# KiCad board WINDOW-4CH.kicad_pcb
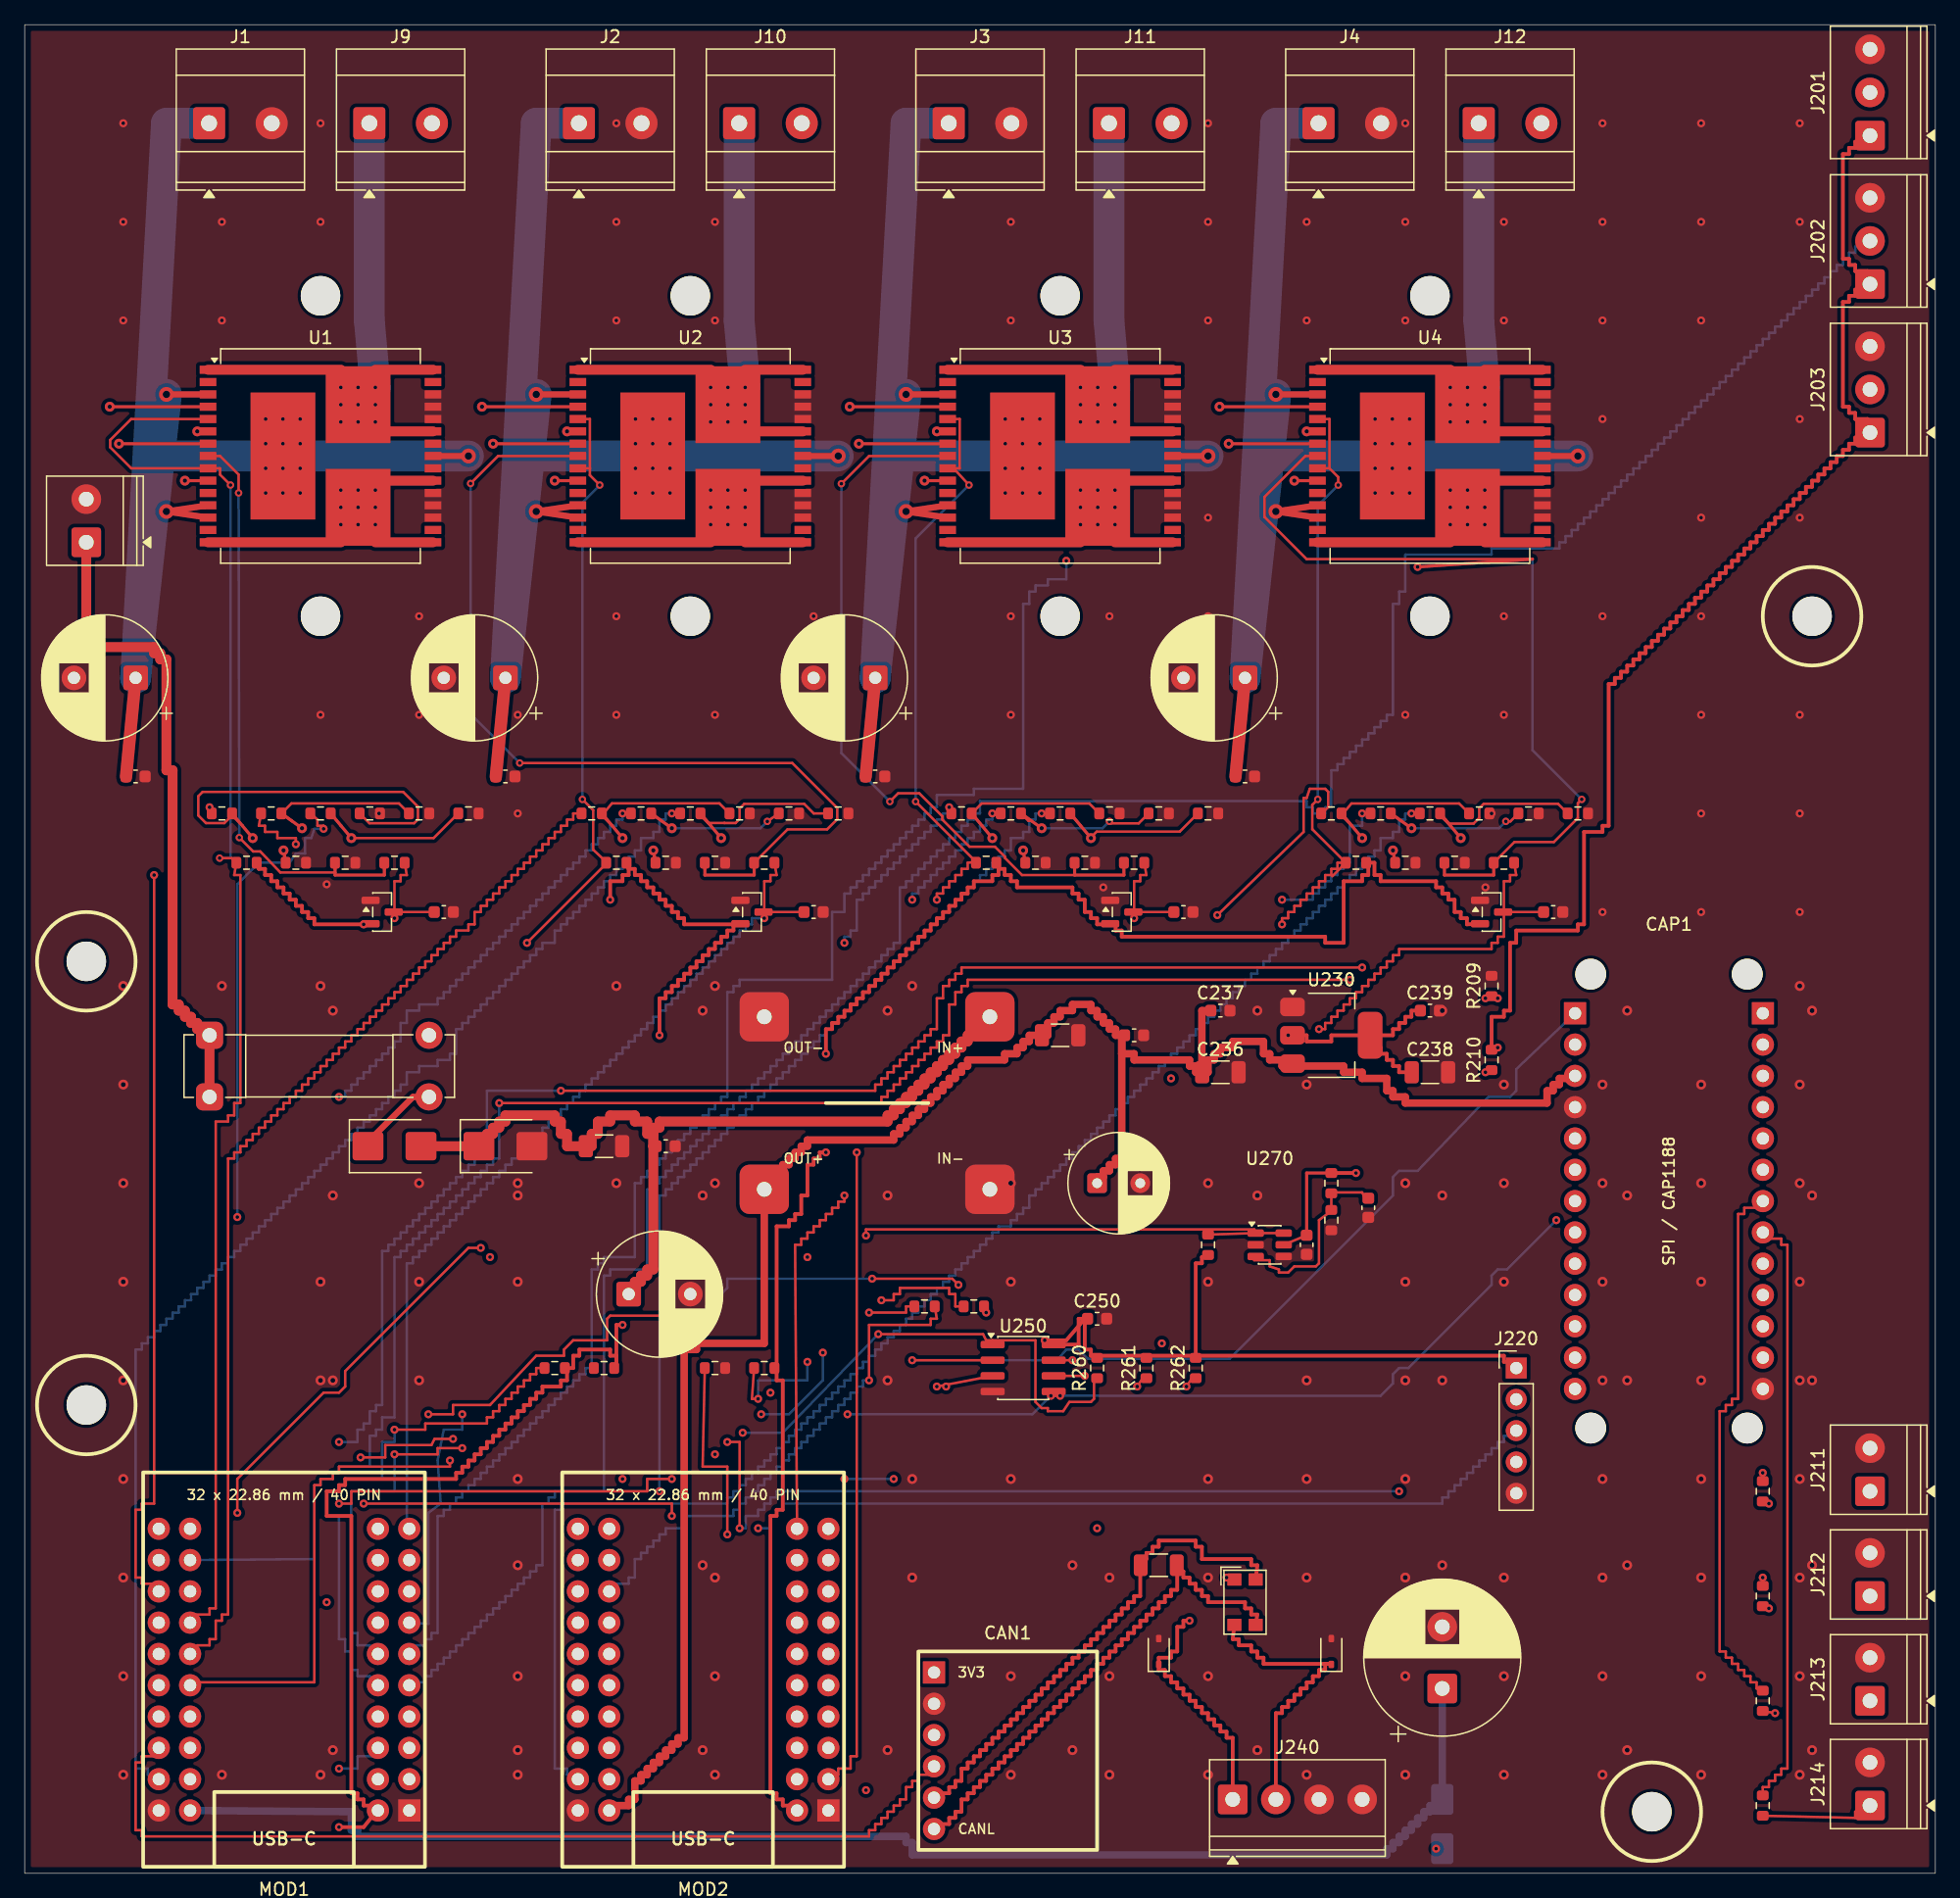
[diagram p0: board, top side]
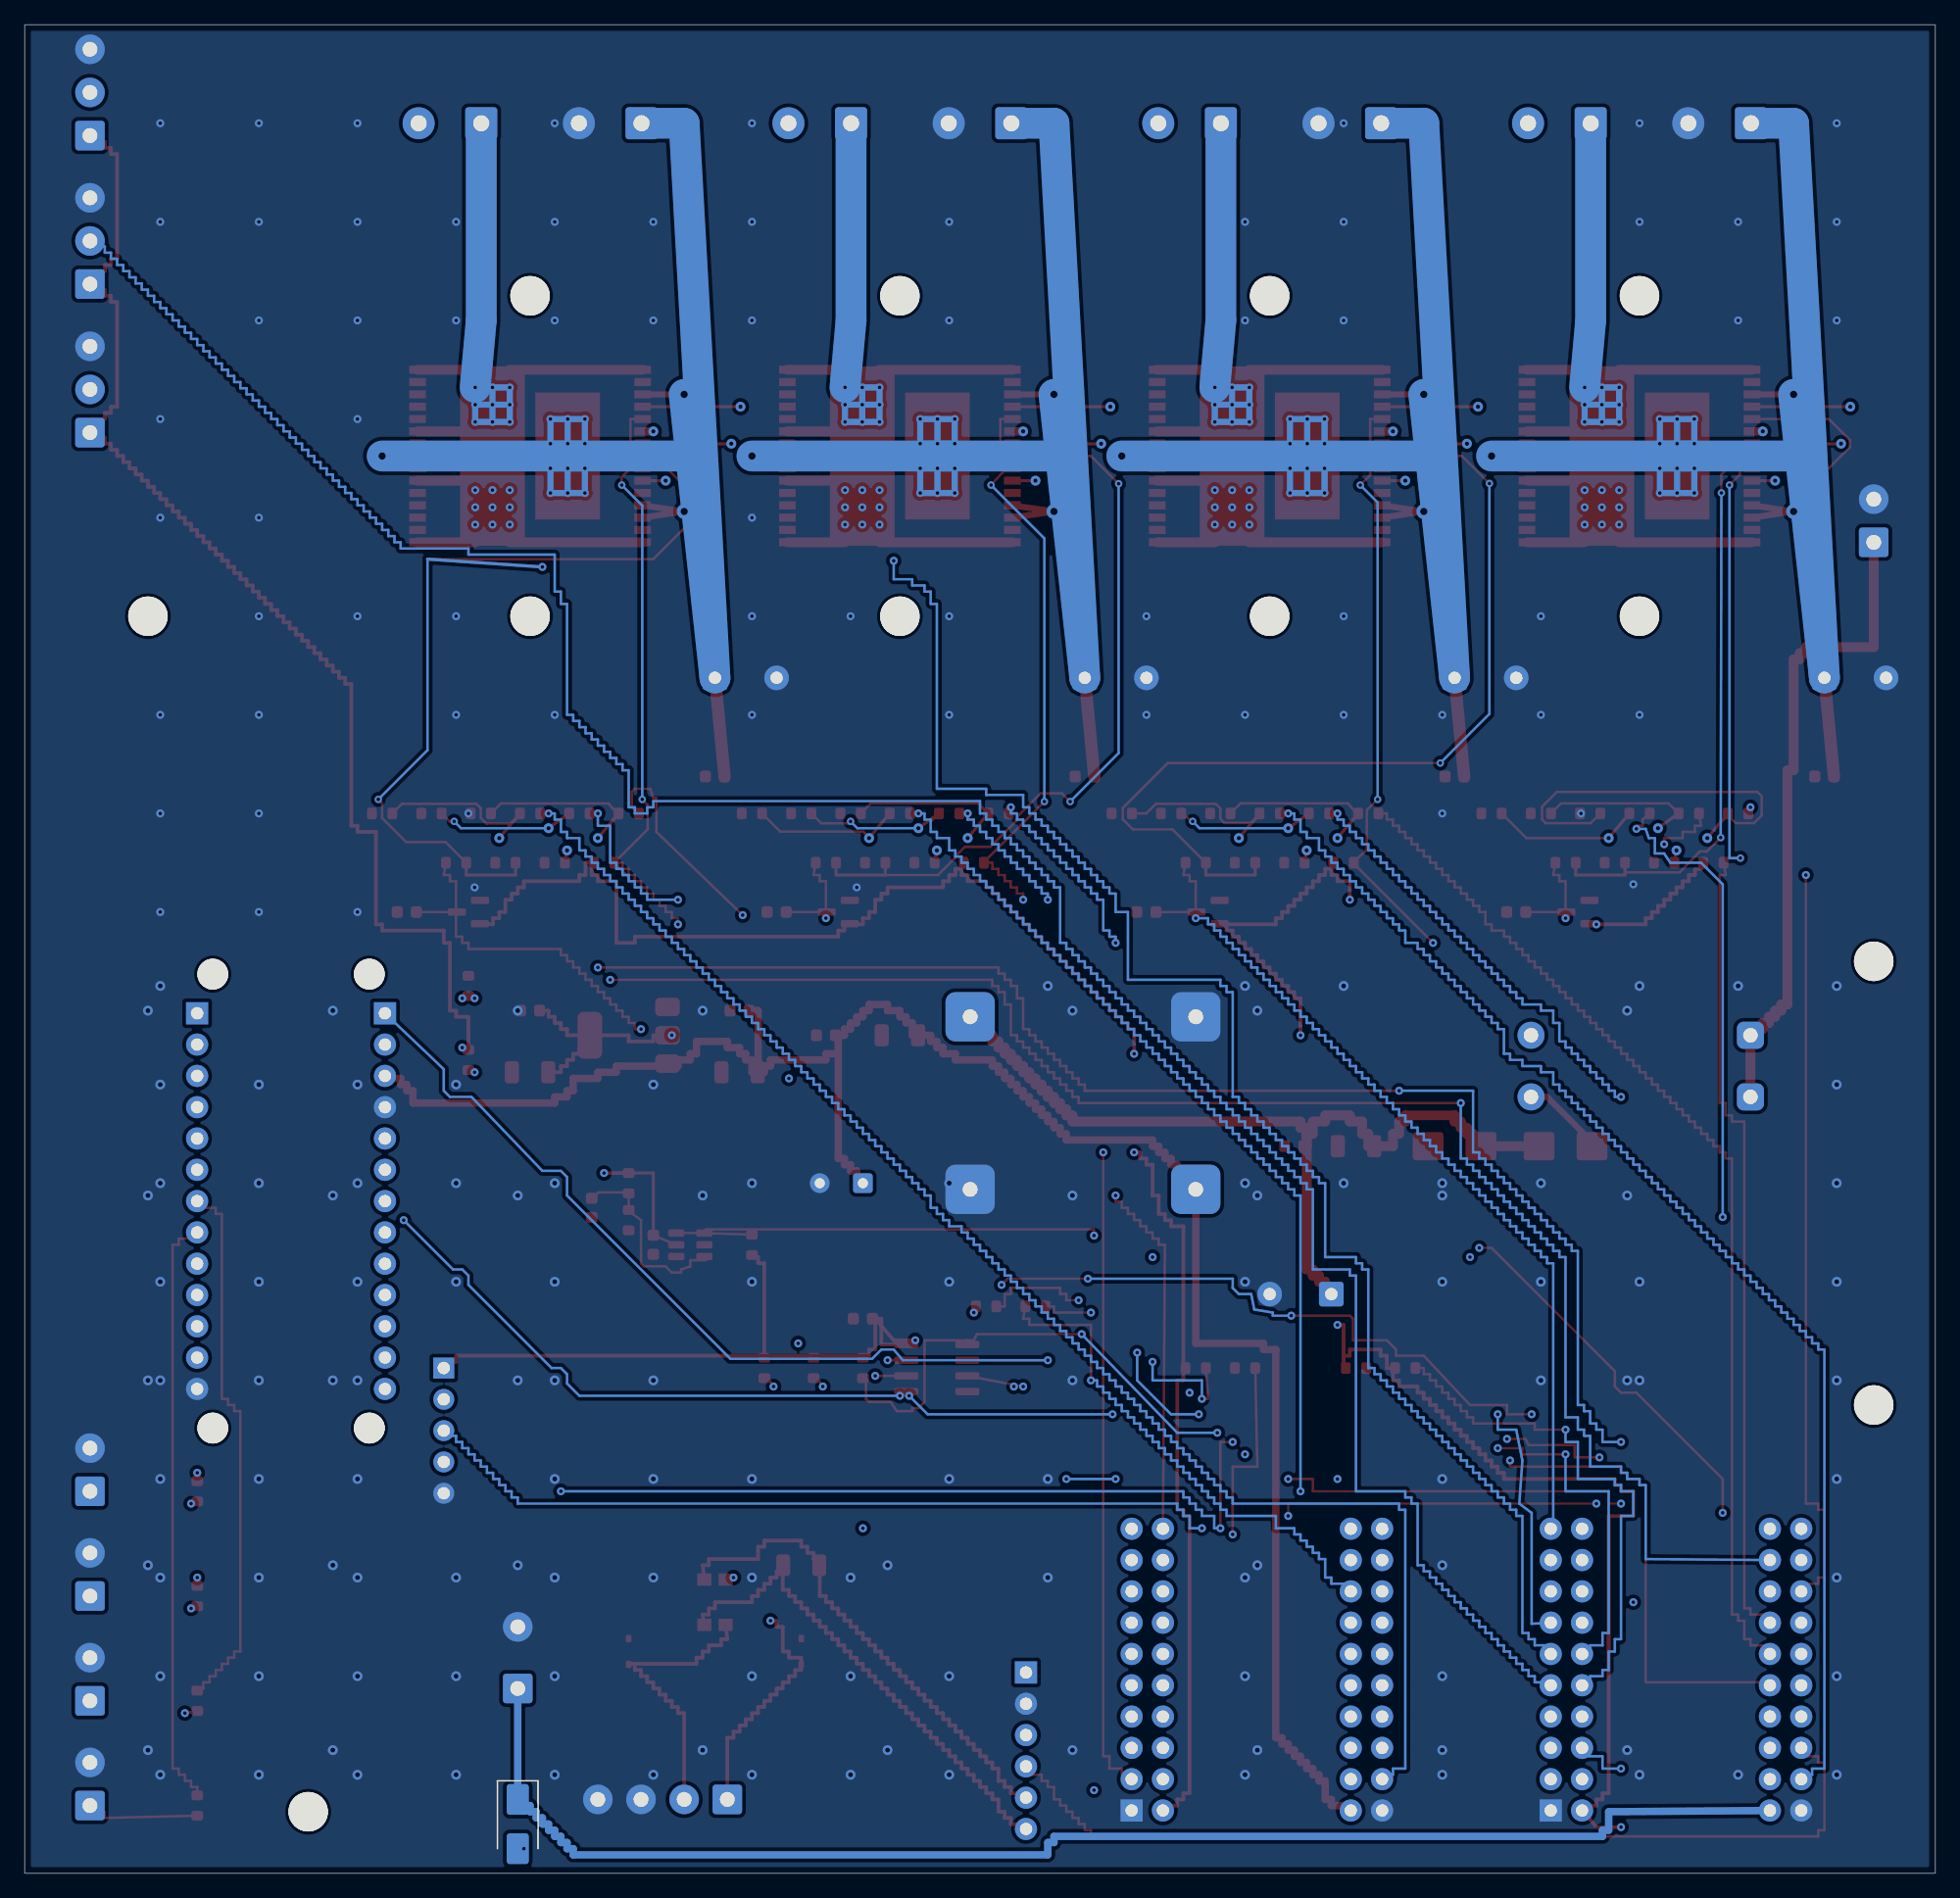
[diagram p1: board, bottom side, seen from below]

Outline 155 x 150 mm; copper layers: Top, In1.Cu (plane), In2.Cu (plane), Bottom. Coordinates in mm from the lower left corner of the outline.
Outline path: rectangle 0,150 155,0

## Placement (name value [footprint] x y rotation side)
C230  470UF_50V  [CP_Radial_D10.0mm_P5.00mm]  49 47 0 top
C231  1UF_50V  [C_1206_3216Metric]  47 59 0 top
C232  100NF_50V  [C_0603_1608Metric]  52 59 0 top
C233  220UF_10V  [CP_Radial_D8.0mm_P3.50mm]  87 56 0 top
C234  10UF_10V  [C_1206_3216Metric]  84 68 0 top
C235  100NF_16V  [C_0603_1608Metric]  90 68 0 top
C236  10UF_10V_3V3_IN  [C_1206_3216Metric]  97 65 0 top
C237  100NF_16V_3V3_IN  [C_0603_1608Metric]  97 70 0 top
C238  10UF_10V_3V3_OUT  [C_1206_3216Metric]  114 65 0 top
C239  100NF_16V_3V3_OUT  [C_0603_1608Metric]  114 70 0 top
C250  100NF_EEPROM  [C_0603_1608Metric]  87 45 0 top
C270  100NF_25V_PGOOD_VDD  [C_0603_1608Metric]  104 51 270 top
C271  100NF_PGOOD_FILTER  [C_0603_1608Metric]  109 54 270 top
C280  4700UF_10V_LOW_ESR_S1_HOLDUP  [CP_Radial_D12.5mm_P5.00mm]  115 15 90 top
C1101  470uF 35V LOW_ESR  [CP_Radial_D10.0mm_P5.00mm]  9 97 180 top
C1102  100nF 50V X7R VCC  [C_0603_1608Metric]  9 89 0 top
C1103  100nF ADC_FILTER  [C_0603_1608Metric]  34 78 0 top
C1201  470uF 35V LOW_ESR  [CP_Radial_D10.0mm_P5.00mm]  39 97 180 top
C1202  100nF 50V X7R VCC  [C_0603_1608Metric]  39 89 0 top
C1203  100nF ADC_FILTER  [C_0603_1608Metric]  64 78 0 top
C1301  470uF 35V LOW_ESR  [CP_Radial_D10.0mm_P5.00mm]  69 97 180 top
C1302  100nF 50V X7R VCC  [C_0603_1608Metric]  69 89 0 top
C1303  100nF ADC_FILTER  [C_0603_1608Metric]  94 78 0 top
C1401  470uF 35V LOW_ESR  [CP_Radial_D10.0mm_P5.00mm]  99 97 180 top
C1402  100nF 50V X7R VCC  [C_0603_1608Metric]  99 89 0 top
C1403  100nF ADC_FILTER  [C_0603_1608Metric]  124 78 0 top
CAN1  SN65HVD230_MASTER_CAN  [SN65HVD230_Module_14.5x16.1mm_1x06]  72.5 18 0 top
CAP1  CAP1188_SPI  [CAP1188_Adafruit1602_Module_2x13]  124.5 75.5 0 top
D230  SS54_REVERSE_POLARITY  [D_SMB]  30 59 0 top
D231  SMBJ16A_TVS  [D_SMB]  39 59 0 top
D240  PESD1CAN_CANH  [D_SOD-323]  92 18 90 top
D241  PESD1CAN_CANL  [D_SOD-323]  106 18 90 top
D280  SS34_S1_HOLDUP_ISOLATION  [D_SMA]  115 4 270 bottom
D1101  BAT54S ADC_CLAMP  [SOT-23]  29 78 0 top
D1201  BAT54S ADC_CLAMP  [SOT-23]  59 78 0 top
D1301  BAT54S ADC_CLAMP  [SOT-23]  89 78 0 top
D1401  BAT54S ADC_CLAMP  [SOT-23]  119 78 0 top
DC1  MP1584_FIXED_5V  [MP1584_Fixed5V_Module_22.3x17mm]  58 71 0 top
F230  1A_SLOW_5X20  [Fuseholder_Clip-5x20mm_Bel_FC-203-22_Lateral_P17.80x5.00mm_D1.17mm_Horizontal]  15 68 0 top
H1  M3.2_NPTH  [MountingHole_M3_2_NPTH]  5 74 0 top
H2  M3.2_NPTH  [MountingHole_M3_2_NPTH]  145 102 0 top
H3  M3.2_NPTH  [MountingHole_M3_2_NPTH]  5 38 0 top
H4  M3.2_NPTH  [MountingHole_M3_2_NPTH]  132 5 0 top
HS1A  M3.2 NPTH, TOP HEATSINK  [MountingHole_3.2mm_M3]  24 128 0 top
HS1B  M3.2 NPTH, TOP HEATSINK  [MountingHole_3.2mm_M3]  24 102 0 top
HS2A  M3.2 NPTH, TOP HEATSINK  [MountingHole_3.2mm_M3]  54 128 0 top
HS2B  M3.2 NPTH, TOP HEATSINK  [MountingHole_3.2mm_M3]  54 102 0 top
HS3A  M3.2 NPTH, TOP HEATSINK  [MountingHole_3.2mm_M3]  84 128 0 top
HS3B  M3.2 NPTH, TOP HEATSINK  [MountingHole_3.2mm_M3]  84 102 0 top
HS4A  M3.2 NPTH, TOP HEATSINK  [MountingHole_3.2mm_M3]  114 128 0 top
HS4B  M3.2 NPTH, TOP HEATSINK  [MountingHole_3.2mm_M3]  114 102 0 top
J1  FUSED_12V_CH1  [TerminalBlock_Phoenix_MKDS-3-2-5.08_1x02_P5.08mm_Horizontal]  14.96 142 0 top
J2  FUSED_12V_CH2  [TerminalBlock_Phoenix_MKDS-3-2-5.08_1x02_P5.08mm_Horizontal]  44.96 142 0 top
J3  FUSED_12V_CH3  [TerminalBlock_Phoenix_MKDS-3-2-5.08_1x02_P5.08mm_Horizontal]  74.96 142 0 top
J4  FUSED_12V_CH4  [TerminalBlock_Phoenix_MKDS-3-2-5.08_1x02_P5.08mm_Horizontal]  104.96 142 0 top
J9  ACTUATOR_CH1  [TerminalBlock_Phoenix_MKDS-3-2-5.08_1x02_P5.08mm_Horizontal]  27.96 142 0 top
J10  ACTUATOR_CH2  [TerminalBlock_Phoenix_MKDS-3-2-5.08_1x02_P5.08mm_Horizontal]  57.96 142 0 top
J11  ACTUATOR_CH3  [TerminalBlock_Phoenix_MKDS-3-2-5.08_1x02_P5.08mm_Horizontal]  87.96 142 0 top
J12  ACTUATOR_CH4  [TerminalBlock_Phoenix_MKDS-3-2-5.08_1x02_P5.08mm_Horizontal]  117.96 142 0 top
J201  REED_A_OPEN_3V3_SIG_GND  [TerminalBlock_Phoenix_PT-1,5-3-3.5-H_1x03_P3.50mm_Horizontal]  149.7 141 90 top
J202  REED_A_CLOSED_3V3_SIG_GND  [TerminalBlock_Phoenix_PT-1,5-3-3.5-H_1x03_P3.50mm_Horizontal]  149.7 128.95 90 top
J203  REED_A_IN_PLACE_3V3_SIG_GND  [TerminalBlock_Phoenix_PT-1,5-3-3.5-H_1x03_P3.50mm_Horizontal]  149.7 116.9 90 top
J211  CAP_CS1_GND  [TerminalBlock_Phoenix_PT-1,5-2-3.5-H_1x02_P3.50mm_Horizontal]  149.7 31 90 top
J212  CAP_CS2_GND  [TerminalBlock_Phoenix_PT-1,5-2-3.5-H_1x02_P3.50mm_Horizontal]  149.7 22.5 90 top
J213  CAP_CS3_GND  [TerminalBlock_Phoenix_PT-1,5-2-3.5-H_1x02_P3.50mm_Horizontal]  149.7 14 90 top
J214  CAP_CS4_GND  [TerminalBlock_Phoenix_PT-1,5-2-3.5-H_1x02_P3.50mm_Horizontal]  149.7 5.5 90 top
J220  SWD_S1_3V3_DIO_CLK_NRST_GND  [PinHeader_1x05_P2.54mm_Vertical]  121 41 0 top
J230  LOGIC_12V_GND  [TerminalBlock_Phoenix_PT-1,5-2-3.5-H_1x02_P3.50mm_Horizontal]  5 108 90 top
J240  CANH_CANL_GND_SHIELD  [TerminalBlock_Phoenix_PT-1,5-4-3.5-H_1x04_P3.50mm_Horizontal]  98 6 0 top
L240  CMC_CAN  [L_CommonModeChoke_Coilcraft_1812CAN]  99 22 0 top
MOD1  STM32F103C8T6_MINI_SLOT_S1  [STM32F103C8T6_Mini_CH340_4x10]  31.2 5.1 180 top
MOD2  STM32F103C8T6_MINI_SLOT_S2  [STM32F103C8T6_Mini_CH340_4x10]  65.2 5.1 180 top
R201  1K_CAP_INPUT  [R_0603_1608Metric]  141 31 270 top
R202  1K_CAP_INPUT  [R_0603_1608Metric]  141 22.5 270 top
R203  1K_CAP_INPUT  [R_0603_1608Metric]  141 14 270 top
R204  1K_CAP_INPUT  [R_0603_1608Metric]  141 5.5 270 top
R209  10K_CAP_RESET_PULLDOWN  [R_0603_1608Metric]  119 72 90 top
R210  10K_CAP_IRQ_PULLUP  [R_0603_1608Metric]  119 66 90 top
R240  120R_CAN_TERM_DNP  [R_1206_3216Metric]  92 25 0 top
R250  100R_UART_TX  [R_0603_1608Metric]  73 46 0 top
R251  100R_UART_TX  [R_0603_1608Metric]  77 46 0 top
R260  10K_EEPROM_CS_PULLUP  [R_0603_1608Metric]  87 41 90 top
R261  10K_EEPROM_WP_PULLUP  [R_0603_1608Metric]  91 41 90 top
R262  10K_EEPROM_HOLD_PULLUP  [R_0603_1608Metric]  95 41 90 top
R270  226K_1%_PGOOD_TOP  [R_0603_1608Metric]  106 56 270 top
R271  10K_1%_PGOOD_BOTTOM  [R_0603_1608Metric]  106 53 270 top
R272  10K_PGOOD_PULLUP  [R_0603_1608Metric]  96 51 90 top
R1101  100R INA_SER  [R_0603_1608Metric]  16 86 0 top
R1102  100R INB_SER  [R_0603_1608Metric]  20 86 0 top
R1103  100R PWM_SER  [R_0603_1608Metric]  24 86 0 top
R1104  10K INA_PULLDOWN  [R_0603_1608Metric]  28 86 0 top
R1105  10K INB_PULLDOWN  [R_0603_1608Metric]  32 86 0 top
R1106  10K PWM_PULLDOWN  [R_0603_1608Metric]  36 86 0 top
R1107  4K7 DIAG_PULLUP  [R_0603_1608Metric]  18 82 0 top
R1108  10K CS_DIS_PULLDOWN  [R_0603_1608Metric]  22 82 0 top
R1109  1K 1% CS_LOAD  [R_0603_1608Metric]  26 82 0 top
R1110  10K ADC_SERIES  [R_0603_1608Metric]  30 82 0 top
R1201  100R INA_SER  [R_0603_1608Metric]  46 86 0 top
R1202  100R INB_SER  [R_0603_1608Metric]  50 86 0 top
R1203  100R PWM_SER  [R_0603_1608Metric]  54 86 0 top
R1204  10K INA_PULLDOWN  [R_0603_1608Metric]  58 86 0 top
R1205  10K INB_PULLDOWN  [R_0603_1608Metric]  62 86 0 top
R1206  10K PWM_PULLDOWN  [R_0603_1608Metric]  66 86 0 top
R1207  4K7 DIAG_PULLUP  [R_0603_1608Metric]  48 82 0 top
R1208  10K CS_DIS_PULLDOWN  [R_0603_1608Metric]  52 82 0 top
R1209  1K 1% CS_LOAD  [R_0603_1608Metric]  56 82 0 top
R1210  10K ADC_SERIES  [R_0603_1608Metric]  60 82 0 top
R1301  100R INA_SER  [R_0603_1608Metric]  76 86 0 top
R1302  100R INB_SER  [R_0603_1608Metric]  80 86 0 top
R1303  100R PWM_SER  [R_0603_1608Metric]  84 86 0 top
R1304  10K INA_PULLDOWN  [R_0603_1608Metric]  88 86 0 top
R1305  10K INB_PULLDOWN  [R_0603_1608Metric]  92 86 0 top
R1306  10K PWM_PULLDOWN  [R_0603_1608Metric]  96 86 0 top
R1307  4K7 DIAG_PULLUP  [R_0603_1608Metric]  78 82 0 top
R1308  10K CS_DIS_PULLDOWN  [R_0603_1608Metric]  82 82 0 top
R1309  1K 1% CS_LOAD  [R_0603_1608Metric]  86 82 0 top
R1310  10K ADC_SERIES  [R_0603_1608Metric]  90 82 0 top
R1401  100R INA_SER  [R_0603_1608Metric]  106 86 0 top
R1402  100R INB_SER  [R_0603_1608Metric]  110 86 0 top
R1403  100R PWM_SER  [R_0603_1608Metric]  114 86 0 top
R1404  10K INA_PULLDOWN  [R_0603_1608Metric]  118 86 0 top
R1405  10K INB_PULLDOWN  [R_0603_1608Metric]  122 86 0 top
R1406  10K PWM_PULLDOWN  [R_0603_1608Metric]  126 86 0 top
R1407  4K7 DIAG_PULLUP  [R_0603_1608Metric]  108 82 0 top
R1408  10K CS_DIS_PULLDOWN  [R_0603_1608Metric]  112 82 0 top
R1409  1K 1% CS_LOAD  [R_0603_1608Metric]  116 82 0 top
R1410  10K ADC_SERIES  [R_0603_1608Metric]  120 82 0 top
R3011  47K SLOT_S1_ID0  [R_0603_1608Metric]  43 41 0 top
R3012  47K SLOT_S1_ID1  [R_0603_1608Metric]  47 41 0 top
R3021  0R SLOT_S2_ID0  [R_0603_1608Metric]  56 41 0 top
R3022  47K SLOT_S2_ID1  [R_0603_1608Metric]  60 41 0 top
U1  VNH5019A-E  [ST_MultiPowerSO-30]  24 115 0 top
U2  VNH5019A-E  [ST_MultiPowerSO-30]  54 115 0 top
U3  VNH5019A-E  [ST_MultiPowerSO-30]  84 115 0 top
U4  VNH5019A-E  [ST_MultiPowerSO-30]  114 115 0 top
U230  AMS1117-3V3  [SOT-223-3_TabPin2]  106 68 0 top
U250  25LC256_SOIC8_CARRIER_ID  [SOIC-8_3.9x4.9mm_P1.27mm]  81 41 0 top
U270  TLV6700DDCR_POWER_MONITOR  [SOT-23-6]  101 51 0 top

## Library data of the parts
C230 C233 C280 C1101 C1201 C1301 C1401 = -: KiLib_Generator: capacitor/THT/other
C231 C232 C234-C239 C250 C270 C271 C1102 C1103 C1202 C1203 C1302 C1303 C1402 C1403 R201-R204 R209 R210 R240 R250 R251 R260-R262 R270-R272 R1101-R1110 R1201-R1210 R1301-R1310 R1401-R1410 R3011 R3012 R3021 R3022 = -: KiLib_Generator: SMD_2terminal_chip_molded
D1101 D1201 D1301 D1401 U250 U270 = -: KiLib_Generator: package/gullwing
HS1A HS1B HS2A HS2B HS3A HS3B HS4A HS4B = -: KiLib_Generator: mounting_hardware/mounting_hole
J1-J4 J9-J12 J201-J203 J211-J214 J230 J240 = -: KiLib_Generator: terminal_block/Phoenix
J220 = -: KiLib_Generator: connector/pin_header_socket

## Footprints (pads in the part's own frame, mm; a bottom-side part is the same pattern mirrored in y, then rotated)
C_0603_1608Metric
  rrect 0.9x0.95 smd: 1(-0.775,0) 2(0.775,0)
C_1206_3216Metric
  rrect 1.15x1.8 smd: 1(-1.475,0) 2(1.475,0)
CAP1188_Adafruit1602_Module_2x13
  round 2.5 hole 2.5 unplated: (2.54,-2.54) (2.54,-39.37) (15.24,-2.54) (15.24,-39.37)
  rect 1.8x1.8 hole 1: 1(1.27,-5.715) 14(16.51,-5.715)
  round 1.8 hole 1: 2(1.27,-8.255) 3(1.27,-10.795) 4(1.27,-13.335) 5(1.27,-15.875) 6(1.27,-18.415) 7(1.27,-20.955) 8(1.27,-23.495) 9(1.27,-26.035) 10(1.27,-28.575) 11(1.27,-31.115) 12(1.27,-33.655) 13(1.27,-36.195) 15(16.51,-8.255) 16(16.51,-10.795) 17(16.51,-13.335) 18(16.51,-15.875) 19(16.51,-18.415) 20(16.51,-20.955) 21(16.51,-23.495) 22(16.51,-26.035) 23(16.51,-28.575) 24(16.51,-31.115) 25(16.51,-33.655) 26(16.51,-36.195)
CP_Radial_D8.0mm_P3.50mm
  rrect 1.6x1.6 hole 0.8: 1(0,0)
  round 1.6 hole 0.8: 2(3.5,0)
CP_Radial_D10.0mm_P5.00mm
  rrect 2x2 hole 1: 1(0,0)
  round 2 hole 1: 2(5,0)
CP_Radial_D12.5mm_P5.00mm
  rrect 2.4x2.4 hole 1.2: 1(0,0)
  round 2.4 hole 1.2: 2(5,0)
D_SMA
  rrect 2.5x1.8 smd: 1(-2,0) 2(2,0)
D_SMB
  rrect 2.5x2.3 smd: 1(-2.15,0) 2(2.15,0)
D_SOD-323
  rrect 0.6x0.45 smd: 1(-1.05,0) 2(1.05,0)
Fuseholder_Clip-5x20mm_Bel_FC-203-22_Lateral_P17.80x5.00mm_D1.17mm_Horizontal
  rrect 2.2x2.2 hole 1.17: 1(0,0) 1(0,-5)
  round 2.2 hole 1.17: 2(17.8,0) 2(17.8,-5)
L_CommonModeChoke_Coilcraft_1812CAN
  rrect 1.15x1 smd: 1(-0.865,1.84) 2(-0.865,-1.84) 3(0.865,-1.84) 4(0.865,1.84)
MountingHole_3.2mm_M3
  round 3.2 hole 3.2 unplated: (0,0)
MountingHole_M3_2_NPTH
  round 3.2 hole 3.2 unplated: (0,0)
MP1584_Fixed5V_Module_22.3x17mm
  rrect 4x4 hole 1.2: 1(20.3,-1.5) 2(20.3,-15.5) 3(2,-15.5) 4(2,-1.5)
PinHeader_1x05_P2.54mm_Vertical
  rect 1.7x1.7 hole 1: 1(0,0)
  round 1.7 hole 1: 2(0,-2.54) 3(0,-5.08) 4(0,-7.62) 5(0,-10.16)
R_0603_1608Metric
  rrect 0.8x0.95 smd: 1(-0.825,0) 2(0.825,0)
R_1206_3216Metric
  rrect 1.125x1.75 smd: 1(-1.462,0) 2(1.462,0)
SN65HVD230_Module_14.5x16.1mm_1x06
  rect 1.8x1.8 hole 1: 1(1.27,-1.7)
  round 1.8 hole 1: 2(1.27,-4.24) 3(1.27,-6.78) 4(1.27,-9.32) 5(1.27,-11.86) 6(1.27,-14.4)
SOIC-8_3.9x4.9mm_P1.27mm
  rrect 1.95x0.6 smd: 1(-2.475,1.905) 2(-2.475,0.635) 3(-2.475,-0.635) 4(-2.475,-1.905) 5(2.475,-1.905) 6(2.475,-0.635) 7(2.475,0.635) 8(2.475,1.905)
SOT-23
  rrect 1.475x0.6 smd: 1(-0.938,0.95) 2(-0.938,-0.95) 3(0.938,0)
SOT-23-6
  rrect 1.325x0.6 smd: 1(-1.137,0.95) 2(-1.137,0) 3(-1.137,-0.95) 4(1.137,-0.95) 5(1.137,0) 6(1.137,0.95)
SOT-223-3_TabPin2
  rrect 2x1.5 smd: 1(-3.15,2.3) 2(-3.15,0) 3(-3.15,-2.3)
  rrect 2x3.8 smd: 2(3.15,0)
ST_MultiPowerSO-30
  rect 1.35x0.66 smd: 1(-9.125,7) 2(-9.125,6) 3(-9.125,5) 4(-9.125,4) 5(-9.125,3) 6(-9.125,2) 7(-9.125,1) 8(-9.125,0) 9(-9.125,-1) 10(-9.125,-2) 11(-9.125,-3) 12(-9.125,-4) 13(-9.125,-5) 14(-9.125,-6) 15(-9.125,-7) 16(9.125,-7) 17(9.125,-6) 18(9.125,-5) 19(9.125,-4) 20(9.125,-3) 21(9.125,-2) 22(9.125,-1) 23(9.125,0) 24(9.125,1) 25(9.125,2) 26(9.125,3) 27(9.125,4) 28(9.125,5) 29(9.125,6) 30(9.125,7)
  rect 5.25x10.3 smd: 31(-3.05,0)
  rect 5.25x6.23 smd: 32(3.05,-4.165) 33(3.05,4.165)
STM32F103C8T6_Mini_CH340_4x10
  rect 1.8x1.8 hole 1: 1(0,0)
  round 1.8 hole 1: 2(0,-2.54) 3(0,-5.08) 4(0,-7.62) 5(0,-10.16) 6(0,-12.7) 7(0,-15.24) 8(0,-17.78) 9(0,-20.32) 10(0,-22.86) 11(2.54,0) 12(2.54,-2.54) 13(2.54,-5.08) 14(2.54,-7.62) 15(2.54,-10.16) 16(2.54,-12.7) 17(2.54,-15.24) 18(2.54,-17.78) 19(2.54,-20.32) 20(2.54,-22.86) 21(17.78,0) 22(17.78,-2.54) 23(17.78,-5.08) 24(17.78,-7.62) 25(17.78,-10.16) 26(17.78,-12.7) 27(17.78,-15.24) 28(17.78,-17.78) 29(17.78,-20.32) 30(17.78,-22.86) 31(20.32,0) 32(20.32,-2.54) 33(20.32,-5.08) 34(20.32,-7.62) 35(20.32,-10.16) 36(20.32,-12.7) 37(20.32,-15.24) 38(20.32,-17.78) 39(20.32,-20.32) 40(20.32,-22.86)
TerminalBlock_Phoenix_MKDS-3-2-5.08_1x02_P5.08mm_Horizontal
  rrect 2.6x2.6 hole 1.3: 1(0,0)
  round 2.6 hole 1.3: 2(5.08,0)
TerminalBlock_Phoenix_PT-1,5-2-3.5-H_1x02_P3.50mm_Horizontal
  rrect 2.4x2.4 hole 1.2: 1(0,0)
  round 2.4 hole 1.2: 2(3.5,0)
TerminalBlock_Phoenix_PT-1,5-3-3.5-H_1x03_P3.50mm_Horizontal
  rrect 2.4x2.4 hole 1.2: 1(0,0)
  round 2.4 hole 1.2: 2(3.5,0) 3(7,0)
TerminalBlock_Phoenix_PT-1,5-4-3.5-H_1x04_P3.50mm_Horizontal
  rrect 2.4x2.4 hole 1.2: 1(0,0)
  round 2.4 hole 1.2: 2(3.5,0) 3(7,0) 4(10.5,0)

## Nets
GND: C230.2 C231.2 C232.2 C233.2 C234.2 C235.2 C236.2 C237.2 C238.2 C239.2 C250.2 C270.2 C271.2 C280.2 C1101.2 C1102.2 C1103.2 C1201.2 C1202.2 C1203.2 C1301.2 C1302.2 C1303.2 C1401.2 C1402.2 C1403.2 CAN1.2 CAP1.4 CAP1.26 D231.2 D240.2 D241.2 D1101.1 D1201.1 D1301.1 D1401.1 DC1.2 DC1.4 J1.2 J2.2 J3.2 J4.2 J201.3 J202.3 J203.3 J211.2 J212.2 J213.2 J214.2 J220.5 J230.2 J240.3 J240.4 MOD1.1 MOD1.31 MOD2.1 MOD2.31 R209.2 R271.2 R1104.2 R1105.2 R1106.2 R1108.2 R1109.2 R1204.2 R1205.2 R1206.2 R1208.2 R1209.2 R1304.2 R1305.2 R1306.2 R1308.2 R1309.2 R1404.2 R1405.2 R1406.2 R1408.2 R1409.2 R3021.2 U1.18 U1.19 U1.20 U1.26 U1.27 U1.28 U2.18 U2.19 U2.20 U2.26 U2.27 U2.28 U3.18 U3.19 U3.20 U3.26 U3.27 U3.28 U4.18 U4.19 U4.20 U4.26 U4.27 U4.28 U230.1 U250.4 U270.2 U270.4
CANH_BUS: CAN1.5 L240.4 R240.1
CANH_ENTRY: D240.1 J240.1 L240.1
CANL_BUS: CAN1.6 L240.3 R240.2
CANL_ENTRY: D241.1 J240.2 L240.2
CAP_C1_FIELD: J211.1 R201.2
CAP_C1_RAW: CAP1.18 R201.1
CAP_C2_FIELD: J212.1 R202.2
CAP_C2_RAW: CAP1.19 R202.1
CAP_C3_FIELD: J213.1 R203.2
CAP_C3_RAW: CAP1.20 R203.1
CAP_C4_FIELD: J214.1 R204.2
CAP_C4_RAW: CAP1.21 R204.1
CAP_C5_RAW: CAP1.22
CAP_C6_RAW: CAP1.23
CAP_C7_RAW: CAP1.24
CAP_C8_RAW: CAP1.25
CAP_CS: CAP1.15 MOD1.18
CAP_IRQ: MOD1.13 R210.1
CAP_MISO: CAP1.1 MOD1.17 U250.2
CAP_MOSI: CAP1.14 MOD1.7 U250.5
CAP_RESET: CAP1.16 MOD1.29 R209.1
CAP_SCK: CAP1.2 MOD1.8 U250.6
CH1_CS_DIS: R1108.1 U1.6
CH1_CS_RAW: R1109.1 R1110.1 U1.8
CH1_CURRENT_ADC: C1103.1 D1101.3 MOD1.20 R1110.2
CH1_DIAG: MOD1.27 R1107.1 U1.5 U1.9
CH1_INA: R1101.2 R1104.1 U1.4
CH1_INA_MCU: MOD1.2 R1101.1
CH1_INB: R1102.2 R1105.1 U1.10
CH1_INB_MCU: MOD1.12 R1102.1
CH1_OUTA: J9.1 U1.1 U1.25 U1.30 U1.33
CH1_OUTB: J9.2 U1.15 U1.16 U1.21 U1.32
CH1_PWM: R1103.2 R1106.1 U1.7
CH1_PWM_MCU: MOD1.22 R1103.1
CH2_CS_DIS: R1208.1 U2.6
CH2_CS_RAW: R1209.1 R1210.1 U2.8
CH2_CURRENT_ADC: C1203.1 D1201.3 MOD1.10 R1210.2
CH2_DIAG: MOD1.3 R1207.1 U2.5 U2.9
CH2_INA: R1201.2 R1204.1 U2.4
CH2_INA_MCU: MOD1.26 R1201.1
CH2_INB: R1202.2 R1205.1 U2.10
CH2_INB_MCU: MOD1.36 R1202.1
CH2_OUTA: J10.1 U2.1 U2.25 U2.30 U2.33
CH2_OUTB: J10.2 U2.15 U2.16 U2.21 U2.32
CH2_PWM: R1203.2 R1206.1 U2.7
CH2_PWM_MCU: MOD1.32 R1203.1
CH3_CS_DIS: R1308.1 U3.6
CH3_CS_RAW: R1309.1 R1310.1 U3.8
CH3_CURRENT_ADC: C1303.1 D1301.3 MOD2.20 R1310.2
CH3_DIAG: MOD2.27 R1307.1 U3.5 U3.9
CH3_INA: R1301.2 R1304.1 U3.4
CH3_INA_MCU: MOD2.2 R1301.1
CH3_INB: R1302.2 R1305.1 U3.10
CH3_INB_MCU: MOD2.12 R1302.1
CH3_OUTA: J11.1 U3.1 U3.25 U3.30 U3.33
CH3_OUTB: J11.2 U3.15 U3.16 U3.21 U3.32
CH3_PWM: R1303.2 R1306.1 U3.7
CH3_PWM_MCU: MOD2.22 R1303.1
CH4_CS_DIS: R1408.1 U4.6
CH4_CS_RAW: R1409.1 R1410.1 U4.8
CH4_CURRENT_ADC: C1403.1 D1401.3 MOD2.10 R1410.2
CH4_DIAG: MOD2.3 R1407.1 U4.5 U4.9
CH4_INA: R1401.2 R1404.1 U4.4
CH4_INA_MCU: MOD2.26 R1401.1
CH4_INB: R1402.2 R1405.1 U4.10
CH4_INB_MCU: MOD2.36 R1402.1
CH4_OUTA: J12.1 U4.1 U4.25 U4.30 U4.33
CH4_OUTB: J12.2 U4.15 U4.16 U4.21 U4.32
CH4_PWM: R1403.2 R1406.1 U4.7
CH4_PWM_MCU: MOD2.32 R1403.1
EEPROM_CS: MOD1.35 R260.1 U250.1
EEPROM_HOLD: R262.1 U250.7
EEPROM_WP: R261.1 U250.3
FUSED_12V_CH1: C1101.1 C1102.1 J1.1 U1.3 U1.12 U1.13 U1.23 U1.31
FUSED_12V_CH2: C1201.1 C1202.1 J2.1 U2.3 U2.12 U2.13 U2.23 U2.31
FUSED_12V_CH3: C1301.1 C1302.1 J3.1 U3.3 U3.12 U3.13 U3.23 U3.31
FUSED_12V_CH4: C1401.1 C1402.1 J4.1 U4.3 U4.12 U4.13 U4.23 U4.31
LOGIC_3V3: C238.1 C239.1 CAN1.1 U230.2
LOGIC_5V: C233.1 C234.1 C235.1 C236.1 C237.1 CAP1.3 D280.2 DC1.3 MOD2.21 U230.3
LOGIC_12V_FUSED: C270.1 D230.1 F230.2 R270.1 U270.5
LOGIC_12V_IN: F230.1 J230.1
LOGIC_12V_PROTECTED: C230.1 C231.1 C232.1 D230.2 D231.1 DC1.1
PGOOD_SENSE: C271.1 R270.2 R271.1 U270.3
POWER_GOOD: MOD1.30 R272.2 U270.1 U270.6
REED_A_CLOSED: J202.2 MOD1.5
REED_A_IN_PLACE: J203.2 MOD1.38
REED_A_OPEN: J201.2 MOD1.6
REED_B_CLOSED: MOD2.5
REED_B_IN_PLACE: MOD2.38
REED_B_OPEN: MOD2.6
S1_3V3: C250.1 D1101.2 D1201.2 J201.1 J202.1 J203.1 J220.1 MOD1.11 R210.2 R260.2 R261.2 R262.2 R272.1 R1107.2 R1207.2 R3011.2 R3012.2 U250.8
S1_5V_HOLD: C280.1 D280.1 MOD1.21
S1_CAN_RX: CAN1.4 MOD1.33
S1_CAN_TX: CAN1.3 MOD1.24
S1_NRST: J220.4 MOD1.16
S1_SLOT_ID0: MOD1.15 R3011.1
S1_SLOT_ID1: R3012.1
S1_SWCLK: J220.3 MOD1.25
S1_SWDIO: J220.2 MOD1.34
S1_UART1_RX: MOD1.28 R251.2
S1_UART1_TX: MOD1.37 R250.1
S1_UART2_RX: MOD1.9
S1_UART2_TX: MOD1.19
S1_UART3_RX: MOD1.14
S1_UART3_TX: MOD1.4
S2_3V3: D1301.2 D1401.2 MOD2.11 R1307.2 R1407.2 R3022.2
S2_SLOT_ID0: MOD2.15 R3021.1
S2_SLOT_ID1: MOD2.7 R3022.1
S2_UART_RX: MOD2.28 R250.2
S2_UART_TX: MOD2.37 R251.1

Pads without a net: CAP1 5 6 7 8 9 10 11 12 13 17; MOD1 23 39 40; MOD2 4 8 9 13 14 16 17 18 19 23 24 25 29 30 33 34 35 39 40; U1 2 11 14 17 22 24 29; U2 2 11 14 17 22 24 29; U3 2 11 14 17 22 24 29; U4 2 11 14 17 22 24 29